# Altium PCB Board_Design.PcbDoc (part 3 of 3)
Units mil, origin at the board's own origin, x right, y up, seen from the top; angles counter-clockwise.
Board outline 5510 x 2520.05 mil, 4 copper layers (Top Layer, Power, Ground, Bottom Layer); 245 components, 237 nets, 989 pads, 502 vias.
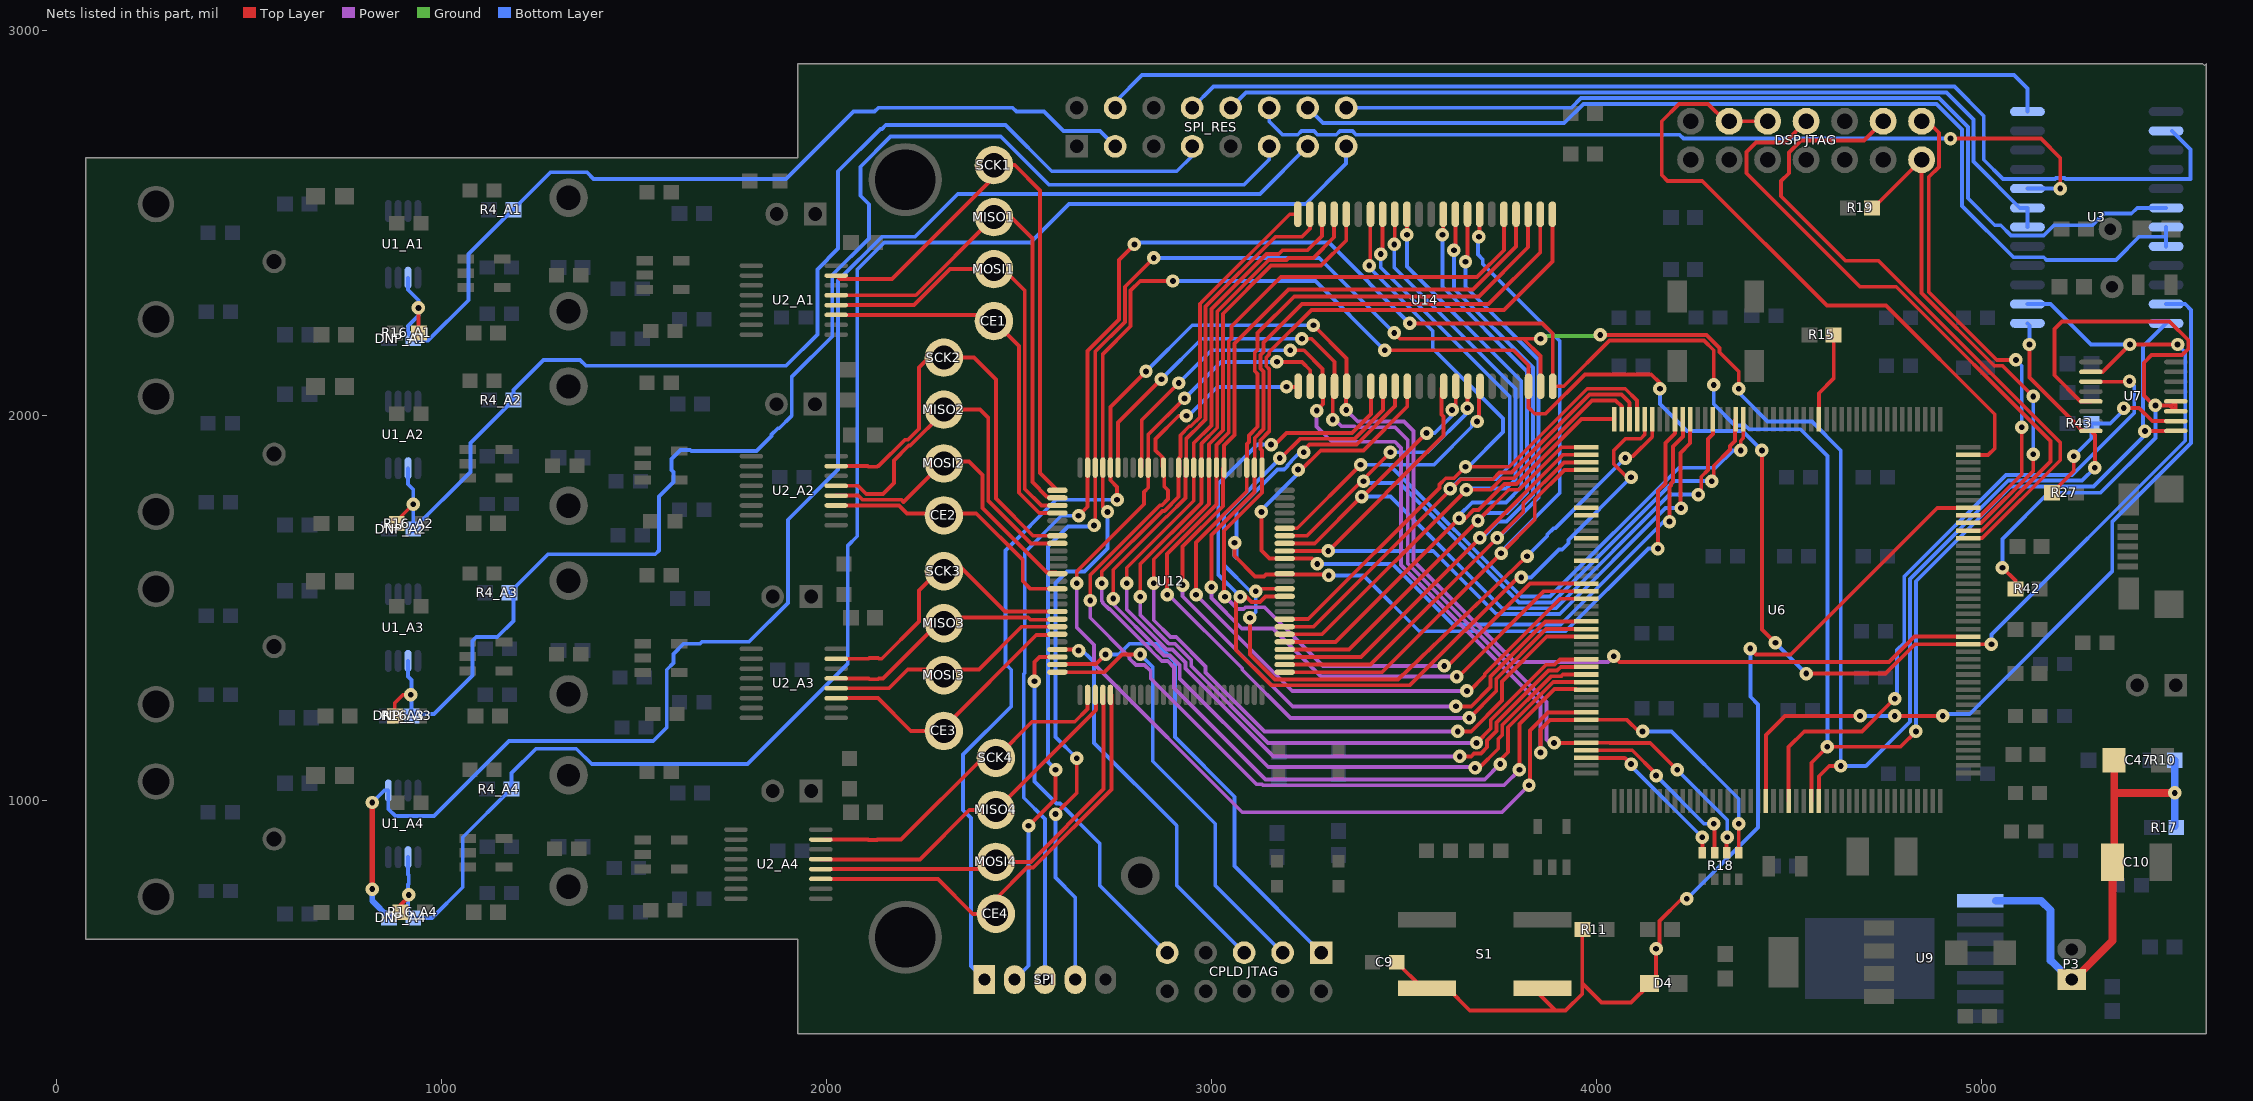
[diagram p5: the nets of this part, all layers, seen from the top]

## Via types
v1: diameter 35, hole 15, Top Layer to Bottom Layer, tented both sides, 501 vias
v2: diameter 35, hole 15, Top Layer to Bottom Layer, tented top, 1 vias

## Nets (pads, with @x,y where several pads share a name; then routed paths per layer and width w, separated by ;. In a path a pad name is that pad's centre, name@x,y a point inside that pad or via, vN(x,y) a via of type N, cw(c..) or ccw(c..) an arc to the next point about the centre after c; other vN are vias at no path point) (continued)
RGA_3I: SPI_RES.10 U3.18 U3.19 | length 2325.2
  Bottom Layer w10: SPI_RES.10@3050,2800 3090,2840 4910,2840 4980,2770 4980,2660 5100,2540 U3.19@5119.88,2540 U3.18@5119.88,2490
RGA_4: DNP_A4.1 SPI_RES.13 U1_A4.1 | length 4051.3
  Top Layer w15: v1(820,770.21) v1(820,995.21)
  Bottom Layer w10: v1(820,995.21) 851.1,1026.32 U1_A4.1@861.61,1026.32 861.61,978.6 880,960.21 980,960.21 1174.79,1155 1550,1155 1585,1190 1585,1340 1602.5,1357.5 1602.5,1381.39 1628.82,1407.71 1671.39,1407.71 1676.39,1412.71 1798.4,1412.71 1899.53,1513.84 1899.53,1729.74 2030,1860.21 2030,2351.21 2143.79,2465 2230,2465 2340.98,2575.98 3125.98,2575.98 SPI_RES.13@3250,2700
  Bottom Layer w15: v1(820,770.21) 820,740.21 DNP_A4.1@863.5,696.71
RGA_4I: SPI_RES.14 U3.7 U3.8 | length 2625.9
  Bottom Layer w10: SPI_RES.14@3250,2800 3289.53,2760.47 3916.69,2760.47 3966.21,2810 4883.79,2810 4950,2743.79 4950,2545 5083.19,2411.81 5162.38,2411.81 5169.19,2405 5350,2405 5410,2465 5480,2465 ; U3.8@5480.12,2440 U3.7@5480.12,2490
RGB_1: DNP_A1.2 R4_A1.2 R16_A1.2 SPI_RES.3 U1_A1.6 | length 2455.8
  Top Layer w10: v1(940,2280) 940,2216.5 R16_A1.2@941.5,2215
  Bottom Layer w10: U1_A1.6@912.8,2358.6 912.8,2327.2 940,2300 v1(940,2280) 940,2260 912.8,2232.8 912.8,2213.91 DNP_A1.2@926.5,2200.21 931.71,2195 965,2195 1070,2300 1070,2420 1282.5,2632.5 1377.5,2632.5 1394.79,2615.21 1895.21,2615.21 2070,2790 2125.15,2790 2135.15,2800 2483.64,2800 2493.64,2790 2565,2790 2615.47,2739.53 2710.47,2739.53 SPI_RES.3@2750,2700 ; R4_A1.2@1185.21,2535.21 R4_A1.2@1186.5,2535.21
RGB_1I: SPI_RES.4 U3.24 | length 2488.4
  Bottom Layer w10: SPI_RES.4@2750,2800 2750,2815 2820,2885 5085,2885 5119.88,2850.12 U3.24@5119.88,2790
RGB_2: DNP_A2.2 R4_A2.2 R16_A2.2 SPI_RES.7 U1_A2.6 | length 3074.1
  Top Layer w10: R16_A2.2@883.5,1720 883.5,1727.01 v1(926.5,1770)
  Bottom Layer w10: U1_A2.6@912.8,1863.6 912.8,1821.85 926.5,1808.15 v1(926.5,1770) DNP_A2.2@926.5,1705.73 1075,1854.23 1075,1929.23 R4_A2.2@1186.5,2040.73 1186.5,2066.5 1265,2145 1360,2145 1375,2130 1895,2130 1976.18,2211.18 1976.18,2380.18 2030,2434 2030,2635 2140,2745 2143.79,2745 2153.79,2755 2465,2755 2585,2635 2910,2635 2950,2675 SPI_RES.7@2950,2700 ; DNP_A2.2@921.5,1700.73 DNP_A2.2@926.68,1700.92
RGB_2I: SPI_RES.8 U3.2 | length 2929
  Bottom Layer w10: SPI_RES.8@2950,2800 3005,2855 4930,2855 5006.38,2778.62 5006.38,2665 5056.38,2615 5191.11,2615 5193.61,2617.5 5216.39,2617.5 5218.89,2615 5543.19,2615 5543.19,2691.81 U3.2@5495,2740
RGB_3: DNP_A3.2 R4_A3.2 R16_A3.2 SPI_RES.11 U1_A3.6 | length 3714.5
  Top Layer w10: R16_A3.2@878.5,1220 878.5,1253.5 900,1275 v1(920,1275)
  Bottom Layer w10: U1_A3.6@912.8,1363.09 912.8,1322.2 921.5,1313.5 DNP_A3.2@921.5,1220.21 ; DNP_A3.2@927.8,1225.13 980.13,1225.13 1080,1325 1080,1415 1090,1425 1144.79,1425 1186.5,1466.71 R4_A3.2@1186.5,1540.21 ; R4_A3.2@1176.5,1540 1276.5,1640 1555,1640 1565,1650 1565,1790 1602.55,1827.55 1602.55,1853.56 1597.5,1858.61 1597.5,1887.5 1620.73,1910.73 1646.11,1910.73 1648.61,1908.23 1818.01,1908.23 1857.5,1947.71 1857.5,1951.39 1873.61,1967.5 1877.29,1967.5 1909.53,1999.74 1909.53,2100.32 2015,2205.79 2015,2365.21 2110,2460.21 2110,2549.46 2088.11,2571.35 2088.11,2646.89 2166.21,2725 2452.57,2725 2577.57,2600 3085,2600 3150,2665 SPI_RES.11@3150,2700
RGB_3I: SPI_RES.12 U3.20 | length 2310.3
  Top Layer w10: v1(4920,2720) 5155,2720 5205,2670 v1(5205,2590)
  Bottom Layer w10: SPI_RES.12@3150,2800 3150,2765 3185,2730 3224.1,2730 3233.63,2739.53 3266.37,2739.53 3275.9,2730 3324.1,2730 3333.63,2739.53 3366.37,2739.53 3375.9,2730 4216.36,2730 4226.36,2720 v1(4920,2720) ; U3.20@5119.88,2590 v1(5205,2590)
RGB_4: DNP_A4.2 R4_A4.2 R16_A4.2 SPI_RES.15 U1_A4.6 | length 4217.6
  Top Layer w10: R16_A4.2@893.5,710 893.5,728.5 v1@917.5,752.5
  Bottom Layer w10: U1_A4.6@912.8,853.6 U1_A4.6@912.8,853.09 912.8,808.51 914.7,806.6 914.7,783.82 912.8,781.91 912.8,708.91 DNP_A4.2@926.5,695.21 975.21,695.21 1055,775 1055,905 1180,1030 R4_A4.2@1181.5,1030 1181.5,1071.5 1245,1135 1350,1135 1390,1095 1794.79,1095 2055,1355.21 2055,1662.03 2080,1687.03 2080,2380 2150,2450 2530,2450 2630,2550 3245,2550 3350,2655 SPI_RES.15@3350,2700
  other v1: 915,755
RGB_4I: SPI_RES.16 U3.6 | length 2426.7
  Bottom Layer w10: SPI_RES.16@3350,2800 3935,2800 3960,2825 4890,2825 4965,2750 4965,2565 5035,2495 5050.57,2495 5077.38,2468.19 5162.38,2468.19 5189.19,2495 5288.43,2495 5318.43,2525 5389.14,2525 5389.57,2524.57 5405,2540 U3.6@5480.12,2540
SPI_CE1: CE1.1 U2_A1.11 U12.4 | length 1010.8
  Top Layer w10: U2_A1.11@2025.24,2261.83 2419.16,2261.83 CE1.1@2435,2245.98 2500,2180.98 2500,1800 2552.83,1747.17 U12.4@2599.72,1747.17
SPI_CE2: CE2.1 U2_A2.11 U12.14 | length 696.4
  Top Layer w10: U2_A2.11@2025.24,1766.83 2188.17,1766.83 2209.02,1745.98 2389.02,1745.98 2510,1625 2510,1570 2529.68,1550.32 U12.14@2599.72,1550.32
SPI_CE3: CE3.1 U2_A3.11 U12.20 | length 718.3
  Top Layer w10: U2_A3.11@2025.24,1266.32 2133.68,1266.32 2219.02,1180.98 CE3.1@2305,1180.98 2305,1190 2545,1430 U12.20@2599.72,1430
SPI_CE4: CE4.1 U2_A4.11 U12.30 | length 1194.8
  Top Layer w10: U2_A4.11@1985.24,796.61 2289.37,796.61 2380,705.98 CE4.1@2440,705.98 2440,745 2520.98,825.98 2537.2,825.98 2740,1028.79 U12.30@2740,1274.72
SPI_CLK/XA15: SPI.4 U3.14 U6.62 U7.2 U12.97 U14.42 | length 6668.7
  Top Layer w10: v1(2595,965) 2650,1020 v1(2650,1110) ; v1(2730,1750) 2717.83,1762.17 U12.97@2717.83,1865.28 2717.83,2160.31 2790,2232.48 2790,2325 2815,2350 v1(2900,2350) ; v1(3450,2170) 3785,2170 3823.72,2131.28 U14.42@3823.72,2076.5 3823.72,2021.28 3840,2005 3868.12,2005 3970.62,2107.5 4142.5,2107.5 4165,2085 v1(4165,2070) ; v1(4430,1910) 4430,1445 v1(4465,1410) ; v1@4540,1330 v1(4545,1330) 4751.21,1330 4827.61,1406.4 U6.62@4941.1,1406.4 ; U6.62@4966.1,1406.4 v1(5026.4,1406.4) ; U7.2@5284.76,2113.98 5315.09,2113.98 v1(5386.11,2185) v1(5510,2185)
  Bottom Layer w10: v1(2595,965) 2595,800 2646.22,748.78 SPI.4@2646.22,535 ; v1(2650,1110) 2595,1165 2595,1565 2625,1595 2670,1595 2730,1655 v1(2730,1750) ; v1(2900,2350) 3270,2350 v1(3450,2170) ; v1(4165,2070) 4165,2030 4235,1960 4380,1960 v1(4430,1910) ; v1(4465,1410) v1(4545,1330) ; v1(5026.4,1406.4) 5026.4,1431.4 5530,1935 5530,2165 v1(5510,2185) ; U3.14@5119.88,2290 5180,2290 5285,2185 v1(5386.11,2185)
SPI_CS/XA14: SPI.1 U6.63 U12.96 U14.27 | length 4761.9
  Top Layer w10: v1(2755,1781.57) 2755,1815 2737.52,1832.48 U12.96@2737.52,1865.28 2737.52,2022.52 v1(2830,2115) ; v1(3265,2235) 3351.28,2148.72 U14.27@3351.28,2076.5 ; v1(3350,2015) U14.27@3350,2075.22 ; v1(4045,1375) 4060,1360 4760,1360 4826.1,1426.1 U6.63@4941.1,1426.1
  Power w10: v1(3350,2015) 3380,1985 3500,1985 3525,1960 3525,1622.43 3787.43,1360 4030,1360 v1(4045,1375)
  Bottom Layer w10: SPI.1@2410,535 2375,570 2375,955 2355,975 2355,1120 2480,1245 2480,1340 2465,1355 2465,1650 2596.57,1781.57 v1(2755,1781.57) v1@2757.5,1779.07 ; v1(2830,2115) 2950,2235 v1(3265,2235)
SPI_CS_POT: U3.11 U6.21 | length 2075.9
  Top Layer w10: U6.21@4440.5,998.9 4440.5,1170.5 4490,1220 v1(4685,1220) ; v1(4775,1220) v1(4900,1220)
  Bottom Layer w10: v1(4685,1220) v1(4775,1220) ; v1@4905,1225 4970,1225 5340,1595 5340,1723.79 5545,1928.79 5545,2275 5530,2290 U3.11@5480.12,2290
SPI_CS_USB: U6.24 U7.3 | length 1757.4
  Top Layer w10: U6.24@4499.5,998.9 4499.5,1139.5 4540,1180 4690,1180 v1(4775,1265) ; U7.3@5284.76,2088.39 v1@5385,2088.39
  Bottom Layer w10: v1(4775,1265) 4781.18,1271.18 4781.18,1391.18 4800,1410 4800,1582.43 5063.92,1846.35 5236.35,1846.35 5397.5,2007.5 5397.5,2077.5 v1(5385,2090)
SPI_MISO1: MISO1.1 U2_A1.13 U12.2 | length 1331.3
  Top Layer w10: U2_A1.13@2025.24,2313.01 2232.02,2313.01 MISO1.1@2435,2515.98 2479.02,2515.98 2535,2460 2535,1827.37 2573.04,1789.33 2596.93,1789.33 U12.2@2599.72,1786.54
SPI_MISO2: MISO2.1 U2_A2.13 U12.8 | length 981.9
  Top Layer w10: U2_A2.13@2025.24,1818.01 2081.99,1818.01 2103.17,1796.83 2146.83,1796.83 2175,1825 2175,1883.79 2213.71,1922.5 2217.6,1922.5 2305,2009.9 MISO2.1@2305,2015.98 2399.02,2015.98 2420,1995 2420,1780 2531.57,1668.43 U12.8@2599.72,1668.43
SPI_MISO3: MISO3.1 U2_A3.13 U12.18 | length 644.2
  Top Layer w10: U2_A3.13@2025.24,1317.5 2109.57,1317.5 2111.48,1315.59 2134.26,1315.59 2136.17,1317.5 2146.51,1317.5 2305,1475.98 2524.02,1475.98 2530,1470 U12.18@2599.72,1470
SPI_MISO4: MISO4.1 U2_A4.13 U12.28 | length 914.5
  Top Layer w10: U2_A4.13@1985.24,847.8 1985.53,847.5 2242.5,847.5 2370.98,975.98 MISO4.1@2440,975.98 2700,1235.98 U12.28@2700,1274.72
SPI_MOSI1: MOSI1.1 U2_A1.12 U12.3 | length 1169.3
  Top Layer w10: U2_A1.12@2025.24,2287.42 2227.65,2287.42 2321.21,2380.98 MOSI1.1@2435,2380.98 2459.02,2380.98 2515,2325 2515,1810 2558.15,1766.85 U12.3@2599.72,1766.85
SPI_MOSI2: MOSI2.1 U2_A2.12 U12.12 | length 795.4
  Top Layer w10: U2_A2.12@2025.24,1792.42 2082.58,1792.42 2093.17,1781.83 2194.39,1781.83 2200.11,1776.1 2305,1880.98 2370,1880.98 2405,1845.98 2405,1760.52 2573.04,1592.48 2596.93,1592.48 U12.12@2599.72,1589.68
SPI_MOSI3: MOSI3.1 U2_A3.12 U12.19 | length 640.8
  Top Layer w10: U2_A3.12@2025.24,1291.91 2161.91,1291.91 2210.98,1340.98 2305,1340.98 2395.98,1340.98 2506.89,1451.89 U12.19@2599.72,1451.89
SPI_MOSI4: MOSI4.1 U2_A4.12 U12.29 | length 1065.6
  Top Layer w10: U2_A4.12@1985.24,822.2 2421.22,822.2 MOSI4.1@2440,840.98 2530.98,840.98 2720,1030 U12.29@2720,1274.72
SPI_SCK1: SCK1.1 U2_A1.15 U12.1 | length 1499
  Top Layer w10: U2_A1.15@2025.24,2364.19 2034.43,2355 2170,2355 2435,2620 SCK1.1@2435,2650.98 2489.02,2650.98 2555,2585 2555,1850.94 U12.1@2599.72,1806.22
SPI_SCK2: SCK2.1 U2_A2.15 U12.7 | length 1158.5
  Top Layer w10: U2_A2.15@2025.24,1869.19 2107.13,1869.19 2109.04,1867.28 2131.82,1867.28 2133.73,1869.19 2135.3,1869.19 2203.61,1937.5 2211.39,1937.5 2240,1966.11 2240,2125 2265.98,2150.98 SCK2.1@2305,2150.98 2382.8,2150.98 2440,2093.79 2440,1785 2536.89,1688.11 U12.7@2599.72,1688.11
SPI_SCK3: SCK3.1 U2_A3.15 U12.17 | length 773.5
  Top Layer w10: U2_A3.15@2025.24,1368.68 2109.57,1368.68 2111.48,1370.59 2134.26,1370.59 2136.17,1368.68 2143.68,1368.68 2240,1465 2240,1545.98 2305,1610.98 2344.02,1610.98 2463.74,1491.26 U12.17@2599.72,1491.26
SPI_SCK4: SCK4.1 U2_A4.15 U12.27 | length 861.4
  Top Layer w10: U2_A4.15@1995,898.68 2107.43,898.68 2108.61,897.5 2131.39,897.5 2132.57,898.68 2193.68,898.68 2405.98,1110.98 SCK4.1@2440,1110.98 2534.02,1205 2645,1205 2678.46,1238.46 U12.27@2678.46,1274.72
SPI_SIMO/XA17: SPI.3 U3.12 U6.27 U7.9 U12.99 U14.44 | length 7066
  Top Layer w10: v1(2655,1740) 2678.46,1763.46 U12.99@2678.46,1865.28 2678.46,2168.46 2760,2250 2760,2405 v1(2800,2445) ; v1(3515,2240) 3860,2240 3886.71,2213.29 U14.44@3886.71,2076.5 3915.39,2076.5 4033.89,2195 4280,2195 4305,2170 v1(4305,2080) ; U6.27@4558.6,998.9 4558.6,1098.6 v1(4600,1140) 4790,1140 v1(4830,1180) ; v1(5425,1960) 5504.8,1960 U7.9@5505.24,1960.43
  Bottom Layer w10: SPI.3@2567.48,535 2567.48,952.52 2512.5,1007.5 2512.5,1328.89 2515,1331.39 2515,1645 2610,1740 v1(2655,1740) ; v1(2800,2445) 2805,2450 3305,2450 v1(3515,2240) ; v1(4305,2080) 4305,2030 4360,1975 4386.21,1975 4396.21,1965 4530,1965 4600,1895 v1(4600,1140) ; v1(4830,1180) 4830,1570 5076.35,1816.35 5291.35,1816.35 5420,1945 5420,2179.88 U3.12@5480.12,2240
SPI_SOMI/XA16: SPI.2 U3.13 U6.28 U7.8 U12.98 U14.43 | length 6861.4
  Top Layer w10: v1@2530,935 2530,938.89 2595,1003.89 v1(2595,1080) ; v1@2698.15,1718.15 U12.98@2698.15,1865.28 2698.15,2166.94 2775,2243.79 2775,2335 v1(2850,2410) ; v1(3475,2215) 3490,2200 3810,2200 ; v1(3855,2200) 3810,2200 ; U14.43@3855.21,2076.5 3855.21,2154.79 3810,2200 ; v1(4010,2210) 4286.21,2210 4320,2176.21 4320,2165 4370,2115 v1(4370,2070) ; U6.28@4578.3,998.9 4578.3,1063.3 4605,1090 v1(4635,1090) ; v1(5125,2185) 5125,2098.89 5244.25,1979.64 5244.25,1979.44 5263.25,1960.43 U7.8@5284.76,1960.43 5295,1950.2 v1(5295,1865)
  Ground w10: v1(3855,2200) 3862.5,2207.5 v1@4007.5,2207.5
  Bottom Layer w10: SPI.2@2488.74,535 2525,571.26 v1(2525,935) ; v1(2595,1080) 2575,1100 2575,1660 2627.5,1712.5 2692.5,1712.5 v1(2695,1715) ; v1(2850,2410) 3280,2410 v1(3475,2215) ; v1(4370,2070) 4370,2060 4445,1985 4560,1985 4635,1910 v1(4635,1090) 4700,1090 4815,1205 4815,1576.21 5070.13,1831.35 5261.35,1831.35 v1(5295,1865) ; U3.13@5119.88,2240 5125,2234.88 v1(5125,2185)
T\R\S\T\_DSP: "DSP JTAG.2" R19.2 U6.78 | length 1373.9
  Top Layer w10: R19.2@4716.5,2535 4716.5,2536.5 4845,2665 4845,2318.79 5033.79,2130 5055,2130 v1(5135,2050) ; U6.78@4941.1,1721.4 4999.56,1721.4 5135,1856.84 v1(5135,1900)
  Bottom Layer w10: v1(5135,1900) v1(5135,2050)
TCK_CPLD: "CPLD JTAG.1" U12.24 | length 1262.6
  Top Layer w10: U12.24@2596.26,1355 2700,1355 v1(2725,1380)
  Bottom Layer w10: v1(2725,1380) 2760,1380 2787.5,1407.5 2857.5,1407.5 2905,1360 2905,1165 3060,1010 3060,830 3285,605
TCK_DSP: "DSP JTAG.9" "DSP JTAG.11" U6.87 | length 1760.7
  Top Layer w10: 4445,2765 4345,2765 4335,2765 4290,2810 4215,2810 4170,2765 4170,2625 4185,2610 4275,2610 4598.79,2286.21 4752.68,2286.21 5035,2003.89 5035,1915 5017.54,1897.54 U6.87@4944.98,1897.54
TDI_CPLD: "CPLD JTAG.9" U12.23 | length 968.3
  Top Layer w10: v1(2540,1310) 2540,1360 2553.15,1373.15 U12.23@2599.72,1373.15
  Bottom Layer w10: v1(2540,1310) 2540,1050 2597.5,992.5 2606.39,992.5 2710,888.89 2710,780 2885,605
TDI_DSP: "DSP JTAG.3" U6.76 | length 1784.1
  Top Layer w10: 4745,2765 4695,2715 4531.36,2715 4500,2683.64 4500,2630 4480,2610 4480,2570 4647.5,2402.5 4732.6,2402.5 5205,1930.1 5205,1884.42 5002.58,1682 U6.76@4941.1,1682
TDO_CPLD: "CPLD JTAG.3" U12.25 | length 1162.7
  Top Layer w10: U12.25@2599.72,1333.78 2721.73,1333.78 2767.95,1380 v1(2815,1380)
  Bottom Layer w10: v1(2815,1380) 2847.5,1347.5 2847.5,1102.5 3010,940 3010,780 3185,605
TDO_DSP: "DSP JTAG.7" U6.77 | length 1687.8
  Top Layer w10: 4545,2765 4490,2710 4415,2710 4390,2685 4390,2630 4685,2335 4778.89,2335 5180,1933.89 5180,1880.63 5001.07,1701.7 U6.77@4941.1,1701.7
TMS_CPLD: "CPLD JTAG.5" U12.22 | length 1039.6
  Top Layer w10: U12.22@2599.72,1392.83 2652.17,1392.83 v1(2655,1390)
  Bottom Layer w10: v1(2655,1390) 2655,1400 2695,1360 2695,1150 2910,935 2910,780 3085,605
TMS_DSP: "DSP JTAG.1" U6.79 | length 1292.8
  Top Layer w10: 4845,2765 4860,2765 4890,2735 4890,2646.36 4863.64,2620 4863.64,2321.36 5040,2145 v1(5090,2145) ; U6.79@4941.1,1741.1 4998.04,1741.1 5105,1848.06 v1(5105,1970)
  Bottom Layer w10: v1(5090,2145) 5105,2130 v1(5105,1970)
VBUS: R27.2 R43.2 U7.10 | length 475
  Top Layer w10: R27.2@5183.5,1800 5240,1856.5 v1(5240,1895) ; v1(5370,2020) 5410,2020 5443.98,1986.02 U7.10@5505.24,1986.02
  Bottom Layer w10: v1(5240,1895) 5286.5,1941.5 R43.2@5286.5,1980 5335,1980 5370,2015 v1@5375,2015
VIN: C10.1 C47.1 P3.1 R10.1 R17.1 U9.1 | length 1301.1
  Top Layer w20: P3.1@5235,530 5340.79,635.79 C10.1@5340.79,840 ; C10.1@5345,844.21 5345,1020 ; C47.1@5345,1105 5345,1020 ; v1@5500,1020 5345,1020
  Bottom Layer w20: U9.1@5037.6,740 5155,740 5180,715 5180,585 P3.1@5235,530 ; R17.1@5502.48,934.02 v1(5502.48,1020) R10.1@5502.48,1105
VOUT3V3: R42.1 U7.5 U7.11 U7.12 | length 1735
  Top Layer w10: v1(5055,1605) 5088.5,1571.5 R42.1@5088.5,1550 ; U7.5@5284.76,2037.2 5257.8,2037.2 5190,2105 5190,2225 5210,2245 5488.89,2245 5537.5,2196.39 5537.5,2173.61 5521.39,2157.5 5442.5,2157.5 5422.5,2137.5 5422.5,2052.5 5448.12,2026.88 v1(5452.5,2026.88) 5494.91,2026.88 U7.12@5505.24,2037.2 U7.11@5505.24,2011.61 5491.85,2025 5490,2025
  Bottom Layer w10: v1(5055,1605) 5055,1680 5175,1800 5310,1800 5452.5,1942.5 v1(5452.5,2026.88)
X\R\S\: C9.1 D4.1 R11.2 S1.3 S1.4 U6.80 | length 2775.5
  Top Layer w10: C9.1@3481.5,580 3548.45,513.05 S1.3@3560.15,513.05 3613.15,513.05 3670.98,455.21 3893.5,455.21 ; S1.4@3810,513.05 3835.67,513.05 3893.5,455.21 ; R11.2@3963.5,665.21 3963.5,525.21 ; v1(4235,745) 4221.79,745 4164.17,687.39 4164.17,624.17 v1(4155,615) 4155,542.62 D4.1@4137.6,525.21 4137.6,522.81 4090,475.21 4013.5,475.21 3963.5,525.21 ; v1(4400,1395) 4415,1380 4505,1380 4885.7,1760.7 U6.80@4966.1,1760.7 ; 3893.5,455.21 3920.21,455.21 3963.5,498.5 3963.5,525.21
  Bottom Layer w10: v1(4235,745) 4420,930 4420,1250 4400,1270 v1(4400,1395)
XA0: U6.151 U12.76 U14.1 | length 2731.3
  Top Layer w10: v1(3035,1530) 3032.5,1532.5 3032.5,1701.18 3131.22,1799.9 U12.76@3131.22,1865.28 3131.22,1909.89 3127.5,1913.61 3127.5,1936.39 3150,1958.89 3150,2121.11 3142.5,2128.61 3142.5,2151.39 3150,2158.89 3150,2165 3260,2275 3760,2275 3885.71,2400.71 U14.1@3885.71,2523.5 ; v1(3605,1350) 3613.89,1350 3827.79,1563.9 U6.151@3948.9,1563.9
  Power w10: v1(3035,1530) 3067.5,1497.5 3083.61,1497.5 3088.61,1502.5 3137.5,1502.5 3290,1350 v1(3605,1350)
XA1: U6.152 U12.77 U14.2 | length 2766.6
  Top Layer w10: v1(3000,1555) 3000,1689.9 3111.54,1801.43 U12.77@3111.54,1865.28 3112.5,1866.24 3112.5,1942.6 3135,1965.1 3135,2114.9 3127.5,2122.4 3127.5,2157.6 3135,2165.1 3135,2190 3235,2290 3720,2290 3854.21,2424.21 U14.2@3854.21,2523.5 ; v1(3637.5,1322.5) 3642.5,1322.5 3864.2,1544.2 U6.152@3948.9,1544.2
  Power w10: v1(3000,1555) 3000,1526.11 3078.61,1447.5 3159.67,1447.5 3284.67,1322.5 v1(3637.5,1322.5)
XA2: U6.153 U12.78 U14.3 | length 2827
  Top Layer w10: v1(2960,1535) 2960,1671.11 3091.85,1802.96 U12.78@3091.85,1865.28 3092.5,1865.93 3092.5,1926.39 3097.5,1931.39 3097.5,1948.82 3120,1971.32 3120,2108.68 3112.5,2116.18 3112.5,2163.82 3120,2171.32 3120,2215 3215,2310 3695,2310 3822.72,2437.72 U14.3@3822.72,2523.5 ; v1(3663.75,1285) 3670,1285 3710,1325 3710,1328.64 3905.86,1524.5 U6.153@3948.9,1524.5
  Power w10: v1(2960,1535) 3210,1285 v1(3663.75,1285)
XA3: U6.156 U12.81 U14.4 | length 2881.6
  Top Layer w10: v1(2925,1560) 2925,1659.85 3030,1764.85 3030,1862.48 U12.81@3032.8,1865.28 3032.8,1922.8 3060,1950 3060,2187.83 3200,2327.83 3679.05,2327.83 3791.22,2440.01 U14.4@3791.22,2523.5 ; v1(3635,1245) 3675,1245 3725,1295 3725,1322.43 3868.07,1465.5 U6.156@3948.9,1465.5
  Power w10: v1(2925,1560) 2925,1531.11 3211.11,1245 v1(3635,1245)
XA4: U6.157 U12.82 U14.5 | length 2968.4
  Top Layer w10: v1(2885,1535) 2885,1641.07 3013.11,1769.18 U12.82@3013.11,1865.28 3013.11,1924.32 3045,1956.21 3045,2194.05 3052.48,2201.53 3052.48,2232.48 3180,2360 3690,2360 3759.72,2429.72 U14.5@3759.72,2523.5 ; v1(3670,1215) 3740,1285 3740,1316.21 3869.59,1445.8 U6.157@3948.9,1445.8
  Power w10: v1(2885,1535) 2888.89,1535 3079.98,1343.91 3079.98,1340.02 3205,1215 v1(3670,1215) v1@3676.18,1215
XA5: U6.158 U12.83 U14.18 | length 2697
  Top Layer w10: v1(2850,1565) 2850,1627.28 2993.43,1770.7 U12.83@2993.43,1865.28 2993.43,1925.85 3030,1962.43 3030,2265 3155,2390 3285,2390 3350.28,2455.28 U14.18@3350.28,2523.5 ; v1(3640,1180) 3675,1180 3755,1260 3755,1310 3871.1,1426.1 U6.158@3948.9,1426.1
  Power w10: v1(2850,1565) 2850,1468.74 2893.74,1425 2908.74,1425 2984.98,1348.76 2984.98,1333.2 3138.18,1180 v1(3640,1180)
XA6: U6.161 U12.84 U14.19 | length 2716.3
  Top Layer w10: v1(2815,1530) 2815,1615 2973.74,1773.74 U12.84@2973.74,1865.28 2973.74,1927.38 3015,1968.64 3015,2271.21 3148.79,2405 3195,2405 3200,2410 3265,2410 3318.78,2463.78 U14.19@3318.78,2523.5 ; v1(3688.6,1150) 3725.61,1187 3725.61,1209.35 3869.26,1353 3891.6,1353 3905.6,1367 U6.161@3948.9,1367
  Power w10: v1(2815,1530) 2815,1482.53 2887.5,1410.03 2887.5,1409.47 2889.47,1407.5 2905.03,1407.5 2947.5,1365.03 2947.5,1349.47 3146.97,1150 3175,1150 ; 3157.53,1150 3175,1150 ; v1(3688.6,1150) 3175,1150
XA7: U6.162 U12.85 U14.20 | length 2750.4
  Top Layer w10: v1(2780,1565) 2780,1605 2954.06,1779.06 U12.85@2954.06,1865.28 2954.06,1929.06 3000,1975 3000,2277.43 3142.57,2420 3175,2420 3185,2430 3250,2430 3287.28,2467.28 U14.20@3287.28,2523.5 ; v1(3645,1115) 3675,1115 3682.5,1122.5 3699.99,1122.5 3716.1,1138.61 3716.1,1156.1 3740.61,1180.61 3740.61,1203.14 3875.47,1338 3898,1338 3907.4,1347.4 U6.162@3948.9,1347.4
  Power w10: v1(2780,1565) 2780,1496.32 2872.5,1403.82 2872.5,1403.25 2883.25,1392.5 2898.82,1392.5 2932.5,1358.82 2932.5,1343.25 3160.75,1115 v1(3645,1115)
XA8: U6.163 U12.86 U14.21 | length 2793.9
  Top Layer w10: v1(2745,1525) 2745,1600 2882.5,1737.5 2883.82,1737.5 2932.5,1786.18 2932.5,1863.41 U12.86@2934.37,1865.28 2934.37,1939.37 2952.5,1957.5 2952.6,1957.5 2985,1989.9 2985,2283.64 3166.36,2465 3235,2465 3255.79,2485.79 U14.21@3255.79,2523.5 ; v1(3685,1085) 3695,1085 3745,1135 3745,1160 3755.61,1170.61 3755.61,1196.92 3881.68,1323 3908,1323 3912.7,1327.7 U6.163@3948.9,1327.7
  Power w10: v1(2745,1525) 2745,1510.1 2857.5,1397.6 2857.5,1397.04 2877.04,1377.5 2892.6,1377.5 2917.5,1352.6 2917.5,1317.5 3147.5,1087.5 v1@3682.5,1087.5
XA9: U6.164 U12.87 U14.22 | length 2841.4
  Top Layer w10: v1(2715,1565) 2715,1595 2872.5,1752.5 2877.6,1752.5 2914.68,1789.58 U12.87@2914.68,1865.28 2917.48,1868.07 2917.48,1891.96 2919.37,1893.85 2919.37,1949.37 2942.5,1972.5 2946.39,1972.5 2970,1996.11 2970,2289.85 2975,2294.85 2975,2295 3203.5,2523.5 U14.22@3224.29,2523.5 ; v1(3750,1095) 3750,1105 3770.61,1125.61 3770.61,1190.71 3887.9,1308 U6.164@3948.9,1308
  Power w10: v1(2715,1565) 2715,1518.89 2717.5,1516.39 2717.5,1513.61 2733.61,1497.5 2735.83,1497.5 2825.83,1407.5 2826.39,1407.5 2842.5,1391.39 2842.5,1390.83 2870.83,1362.5 2886.39,1362.5 2902.5,1346.39 2902.5,1292.5 3137.5,1057.5 3137.6,1057.5 3140.1,1055 3710,1055 v1(3750,1095)
XA10: U6.165 U12.89 U14.23 | length 2621.4
  Top Layer w10: v1(2685,1520) 2685,1586.21 2866.29,1767.5 2871.39,1767.5 2887.5,1783.61 2887.5,1806.39 2877.5,1816.39 2877.5,1863.09 U12.89@2875.32,1865.28 2872.52,1868.07 2872.52,1891.96 2855,1909.48 2855,1940 2915,2000 v1(2935,2000) ; v1(3195,2075) U14.23@3223.8,2075 ; v1(3800,1080) 3800,1198.89 3891.11,1290 3947.2,1290 U6.165@3948.9,1288.3
  Power w10: v1(2685,1520) 2685,1475 2787.5,1372.5 2787.5,1368.61 2803.61,1352.5 2826.39,1352.5 2842.5,1336.39 2842.5,1317.4 3117.4,1042.5 3131.39,1042.5 3133.89,1040 3760,1040 v1(3800,1080)
  Bottom Layer w10: v1(2935,2000) 2940,2000 3015,2075 v1(3195,2075)
XA11: U6.168 U12.91 U14.24 | length 2847.9
  Top Layer w10: v1(2650,1565) 2650,1595 2825,1770 2825,1801.82 2835.94,1812.76 U12.91@2835.94,1865.28 2835.94,1950.94 v1(2930,2045) ; v1(3170,2140) 3235,2140 3256.79,2118.21 U14.24@3256.79,2076.5 U14.24@3255,2074.71 ; v1(3825,1040) 3827.5,1042.5 3827.5,1182.5 3874.3,1229.3 U6.168@3950,1229.3
  Power w10: v1(2650,1565) 2650,1450 2695,1405 2695,1355 3080,970 3755,970 v1(3825,1040)
  Bottom Layer w10: v1(2930,2045) 3025,2140 v1(3170,2140)
XA12: R18.1 U6.169 U12.92 U14.25 | length 2849.3
  Top Layer w10: U12.92@2816.26,1865.28 2819.06,1868.07 2819.06,1989.06 v1(2915,2085) ; v1(3205,2170) 3240,2170 3288.28,2121.72 U14.25@3288.28,2076.5 ; v1(3273.32,2013.32) 3290,2030 U14.25@3290,2085 ; v1(3855,1125) 3855,1185 3879.6,1209.6 3991.51,1209.6 3991.11,1210 4080,1210 4110,1180 v1(4120,1180) ; R18.1@4370,865 v1(4370,940)
  Power w10: v1(3273.32,2013.32) 3273.32,1971.68 3312.5,1932.5 3476.39,1932.5 3492.54,1916.36 3492.54,1612.46 3855,1250 v1(3855,1125)
  Bottom Layer w10: v1(2915,2085) 3000,2170 v1(3205,2170) ; v1(4120,1180) 4195,1180 4370,1005 v1(4370,940)
XA13: R18.2 U6.172 U12.95 U14.26 | length 2745.4
  Top Layer w10: U12.95@2757.2,1865.28 2757.2,1982.2 v1(2870,2095) ; v1(3235,2200) 3260,2200 3319.78,2140.22 U14.26@3319.78,2076.5 ; v1(3315,1990) U14.26@3315,2061.28 ; v1(3890,1150) U6.172@3980.24,1150 ; U6.172@3948.9,1150.5 4034.5,1150.5 4035,1150 4140,1150 v1(4210,1080) ; R18.2@4338.5,865 v1@4338.5,903.5
  Power w10: v1(3315,1990) 3320,1990 3337.5,1972.5 3371.29,1972.5 3373.79,1970 3477.22,1970 3510,1937.22 3510,1616.21 3870,1256.21 3870,1158.79 3878.79,1150 v1(3890,1150)
  Bottom Layer w10: v1(2870,2095) 2975,2200 v1(3235,2200) ; v1(4210,1080) 4340,950 v1(4340,905)
XA14: R18.3 U6.173 | length 510.4
  Top Layer w10: U6.173@3948.9,1130.8 4093.09,1130.8 4155,1068.89 v1(4155,1065) ; R18.3@4307.01,865 v1@4307.01,937.99
  Bottom Layer w10: v1(4155,1065) 4280,940 v1(4305,940)
XA15: R18.4 U6.174 | length 453.9
  Top Layer w10: U6.174@3948.9,1111.1 4073.9,1111.1 v1(4090,1095) ; R18.4@4275.51,865 v1@4275.51,904.49
  Bottom Layer w10: v1(4090,1095) 4090,1090 v1(4275,905)
XCLKIN: R15.2 U6.105 | length 234.7
  Top Layer w10: U6.105@4578.3,1991.1 4578.3,2058.3 4616.5,2096.5 R15.2@4616.5,2210
XD0: U6.136 U12.51 U14.7 | length 2038.3
  Top Layer w10: U12.51@3190.28,1333.78 3443.78,1333.78 v1(3752.5,1642.5) 3840,1730 3840,1782.14 3917.06,1859.2 U6.136@3948.9,1859.2 ; v1@3696.73,2466.73 U14.7@3696.73,2523.5
  Bottom Layer w10: v1(3695,2465) 3692.5,2462.5 3692.5,2418.61 3705,2406.11 3705,2393.79 3905,2193.79 3905,1798.89 3752.5,1646.39 v1(3752.5,1642.5)
XD1: U6.135 U12.52 U14.8 | length 1954.9
  Top Layer w10: U12.52@3190.28,1353.46 3413.46,1353.46 v1(3742.5,1682.5) 3810,1750 3810,1773.36 3915.54,1878.9 U6.135@3948.9,1878.9 ; v1@3665.24,2400 U14.8@3665.24,2523.5
  Bottom Layer w10: v1(3660,2400) 3660,2335 3850,2145 3850,1787.57 v1@3743.71,1681.29
XD2: U6.134 U12.53 U14.9 | length 1973
  Top Layer w10: U12.53@3190.28,1373.15 3388.15,1373.15 v1(3697.5,1682.5) 3913.5,1898.5 U6.134@3948.9,1898.5 ; v1@3633.74,2430 U14.9@3633.74,2523.5
  Bottom Layer w10: v1(3630,2430) 3630,2330 3835,2125 3835,1793.79 3766.21,1725 3745,1725 v1@3700,1680
XD3: U6.133 U12.54 U14.10 | length 1946.2
  Top Layer w10: U12.54@3190.28,1392.83 3357.83,1392.83 v1(3692.5,1727.5) 3772.53,1807.53 3798.6,1807.53 3909.27,1918.2 U6.133@3948.9,1918.2 ; v1@3602.24,2472.24 U14.10@3602.24,2523.5
  Bottom Layer w10: v1(3600,2470) 3600,2335 3820,2115 3820,1800 3767.5,1747.5 3712.5,1747.5 v1(3692.5,1727.5)
XD4: U6.132 U12.55 U14.13 | length 2128
  Top Layer w10: U12.55@3190.28,1412.52 3322.52,1412.52 v1(3643.18,1733.18) 3659.29,1733.18 3681.11,1755 3693.64,1755 3761.17,1822.53 3792.38,1822.53 3960.95,1991.1 U6.132@4046.8,1991.1 ; v1(3507.76,2470) U14.13@3507.76,2523.5 ; 3665,1738.79 3665,1738.89
  Bottom Layer w10: v1(3507.76,2470) 3507.76,2387.24 3805,2090 3805,1815 3765,1775 3677.5,1775 3643.18,1740.68 v1(3643.18,1733.18)
XD5: U6.131 U12.56 U14.14 | length 2117.5
  Top Layer w10: U12.56@3190.28,1432.2 3287.2,1432.2 v1(3662.5,1807.5) 3724.93,1807.5 3754.96,1837.53 3786.17,1837.53 3988.64,2040 4050,2040 4066.5,2023.5 U6.131@4066.5,1991.1 ; v1@3476.26,2451.26 U14.14@3476.26,2523.5
  Bottom Layer w10: v1(3475,2445) 3475,2385 3790,2070 3790,1835 3765.78,1810.78 v1@3662.5,1810.78
XD6: U6.130 U12.57 U14.15 | length 2154.3
  Top Layer w10: U12.57@3190.28,1451.89 3265.57,1451.89 3648.68,1835 3731.21,1835 3748.74,1852.53 3779.96,1852.53 3982.43,2055 4065,2055 4086.1,2033.9 U6.130@4086.1,1991.1 ; v1@3444.76,2435 U14.15@3444.76,2523.5
  Bottom Layer w10: v1(3440,2420) 3440,2385 3775,2050 3775,1870 3740,1835 3645,1835 v1(3620,1810)
XD7: U6.129 U12.58 U14.16 | length 2069.4
  Top Layer w10: U12.58@3190.28,1471.57 3251.57,1471.57 3592.5,1812.5 3592.5,1821.39 3608.61,1837.5 3629.97,1837.5 v1@3662.47,1870 ; v1@3413.27,2395 3412.5,2395.77 3412.5,2522.74 U14.16@3413.27,2523.5 ; v1(3660,1867.53) 3773.74,1867.53 3976.21,2070 4075,2070 4105.8,2039.2 U6.129@4105.8,1991.1
  Bottom Layer w10: v1(3410,2390) 3410,2385 3575,2220 3575,2175 3757.5,1992.5 3757.5,1957.5 v1@3665,1865
XD8: U6.128 U12.61 U14.29 | length 2662.9
  Top Layer w10: v1(3155,1925) 3165,1925 3195,1955 3365,1955 3414.27,2004.27 U14.29@3414.27,2076.5 ; U12.61@3190.28,1530.63 3140.48,1530.63 3126.39,1516.54 3103.61,1516.54 3089.52,1530.63 3064.17,1530.63 3064.17,1390.83 3155,1300 3516.11,1300 3796.11,1580 v1(3805,1580) ; v1(4090,1840) 4080,1840 4045,1875 4045,1910 4075.2,1940.2 4115.2,1940.2 4125.5,1950.5 U6.128@4125.5,1991.1
  Bottom Layer w10: v1(3075,1530) 3017.5,1587.5 3017.5,1822.5 3120,1925 v1(3155,1925) ; v1(3805,1580) 3830,1580 3902.5,1652.5 3911.39,1652.5 3927.5,1668.61 3927.5,1677.5 v1(4090,1840)
XD9: U6.127 U12.62 U14.30 | length 2473
  Top Layer w10: v1(3100,1475) 3100,1380 3165,1315 3485,1315 v1(3820,1635) v1@3815,1645 ; v1@3104.68,1550.32 U12.62@3190.28,1550.32 ; v1(3177.22,1890) 3180,1890 3230,1940 3371.21,1940 3445.76,2014.55 U14.30@3445.76,2076.5 ; v1(4075,1890) 4095,1895 4145.2,1945.2 U6.127@4145.2,1991.1
  Bottom Layer w10: v1(3100,1475) 3115,1490 v1(3115,1544.04) 3100.96,1544.04 3032.5,1612.5 3032.5,1742.5 3177.22,1887.22 v1(3177.22,1890) ; v1(3820,1635) 3872.5,1687.5 3872.5,1691.39 3888.61,1707.5 3892.5,1707.5 v1(4075,1890)
XD10: U6.124 U12.64 U14.31 | length 2415.2
  Top Layer w10: v1(3060,1670) 3060,1636.11 3113.61,1582.5 3136.39,1582.5 3141.39,1587.5 3304.52,1587.5 v1@3312.85,1579.17 ; v1@3240,1910 3255,1925 3377.43,1925 3477.26,2024.83 U14.31@3477.26,2076.5 ; v1(4160,1655) 4160,1805 4179.3,1824.3 4179.3,1929.3 4204.3,1954.3 U6.124@4204.3,1991.1
  Bottom Layer w10: v1(3060,1670) 3060,1635 3065,1630 3065,1753.79 3171.21,1860 3188.79,1860 3197.5,1868.71 3197.5,1871.39 3207.5,1881.39 3207.5,1882.5 3230,1905 v1(3240,1905) ; v1(3305,1585) 3395,1585 3540,1440 3920,1440 4135,1655 v1(4160,1655)
XD11: U6.123 U12.66 U14.32 | length 2179.4
  Top Layer w10: v1(3130,1750) 3130,1650 3150.94,1629.06 U12.66@3190.28,1629.06 3260.94,1629.06 v1(3275,1615) ; v1(3225,1860) 3233.89,1860 3283.89,1910 3395,1910 3508.76,2023.76 U14.32@3508.76,2076.5 ; v1(4190,1725) 4190,1813.79 4194.3,1818.09 4194.3,1824.3 4198.9,1828.9 4198.9,1920 4225,1946.1 4225,1990 U6.123@4223.9,1991.1
  Bottom Layer w10: v1@3127.5,1752.5 3225,1850 v1(3225,1860) ; v1(3275,1615) 3470,1615 3627.5,1457.5 3907.5,1457.5 v1@4182.5,1732.5
XD12: U6.122 U12.67 U14.35 | length 2018.1
  Top Layer w10: U12.67@3190.28,1648.74 v1(3303.74,1648.74) 3603.24,1948.24 3603.24,1997.87 3597.5,2003.61 3597.5,2070.75 U14.35@3603.24,2076.5 ; v1@4218.6,1751.4 4218.6,1903.6 4243.6,1928.6 U6.122@4243.6,1991.1
  Bottom Layer w10: v1(3303.74,1648.74) 3576.26,1648.74 3740,1485 3905,1485 4180,1760 v1(4220,1760)
XD13: U6.119 U12.68 U14.36 | length 1986.3
  Top Layer w10: U12.68@3190.28,1668.43 3268.43,1668.43 v1(3390,1790) 3393.89,1790 v1(3558.89,1955) ; U14.36@3634.74,2076.5 3634.74,2020.26 v1@3635,2020 ; v1(4265,1795) 4272.5,1802.5 4272.5,1841.39 4290,1858.89 4290,1940 4302.7,1952.7 U6.119@4302.7,1991.1
  Bottom Layer w10: v1(3390,1790) 3465,1790 3755,1500 3895,1500 4190,1795 v1(4265,1795) ; v1(3558.89,1955) 3558.89,1948.33 3565.56,1955 3580,1955 3630,2005 3625,2010 v1(3625,2015)
XD14: U6.116 U12.69 U14.37 | length 2020.7
  Top Layer w10: U12.69@3190.28,1688.11 3248.11,1688.11 v1(3465,1905) ; v1(3665,2020) U14.37@3665,2057.73 ; v1(4300,1830) 4305,1835 4305,1870 4347.5,1912.5 4347.5,1921.39 4360,1933.89 4360,1989.4 U6.116@4361.7,1991.1
  Bottom Layer w10: v1(3395,1830) 3395,1840 3410,1825 3488.79,1825 3798.79,1515 3886.21,1515 4201.21,1830 v1@4295,1830 ; v1(3465,1905) 3561.82,1905 3667.5,2010.68 3665,2013.18 v1(3665,2020)
XD15: U6.115 U12.70 U14.38 | length 1964.4
  Top Layer w10: U12.70@3190.28,1707.8 3222.8,1707.8 v1(3387.45,1872.45) ; v1(3690,1985) 3695,1990 U14.38@3695,2045.46 ; v1(4375,1910) 4375,1935 4381.4,1941.4 U6.115@4381.4,1991.1
  Bottom Layer w10: v1(3387.45,1872.45) 3462.55,1872.45 ; v1@3676.39,1982.5 3676.39,1971.39 3577.45,1872.45 3462.55,1872.45 ; v1(4375,1910) 4355,1910 4310,1865 4215,1865 3880,1530 3805,1530 3462.55,1872.45
XREADY: U6.142
XRWN: U6.148
XZCS0N: U6.145
XZCS6N: U6.141
pads on no net: "CPLD JTAG.6" "CPLD JTAG.7" "CPLD JTAG.8" P2.4 U2_A1.8 U2_A2.8 U2_A3.8 U2_A4.8 U6.1 U6.2 U6.68 U6.81 U6.82 U6.102 U6.138 U6.175 U6.176 U7.1 U8.2 U12.35 U12.36 U12.73 U12.74 U12.75 U13.4 U14.28

## Polygon pours and split planes (outlines as drawn)
4.2V_A4 on Power "4.2V_A4" (solid, remove dead copper, pour order 36): 157.09,1145.1 2090,1145.1 2090,685.1 157.09,685.1 157.09,1145.1
4.2V_A3 on Power "4.2V_A3" (solid, remove dead copper, pour order 31): 155,1640.21 2090,1640.21 2090,1160.21 155,1160.21 155,1640.21
4.2V_A1 on Power "4.2V_A1" (solid, remove dead copper, pour order 23): 150,2640.21 2090,2640.21 2090,2160.21 155,2160.21 155,2635.21 150,2640.21
4.2V_A2 on Power "4.2V_A2" (solid, remove dead copper, pour order 27): 155,2140.21 2090,2140.21 2090,1660.21 155,1660.21 155,2140.21
no net on Power "1.4V" (solid, remove dead copper, pour order 30): 4020,2000 4025,2005 4820,2005 4820,1205 4020,1205 4020,2005
3.3VD on Power "3.3VD" (solid, remove dead copper, pour order 34): 2105,2905 5575,2905 5575,405 2100,405 2100,2900 2105,2905
DGND on Ground "DGND" (solid, remove dead copper, pour order 43): 2170,2915 5585,2915 5585,394.95 2170,394.95
AGND4 on Ground "AGND4" (solid, remove dead copper, pour order 38): 155,1142.86 2090,1142.86 2090,677.86 155,677.86 155,1142.86
AGND3 on Ground "AGND3" (solid, remove dead copper, pour order 33): 155,1640.21 2090,1640.21 2090,1160.21 155,1160.21 155,1640.21
AGND1 on Ground "AGND1" (solid, remove dead copper, pour order 26): 155,2640.21 2090,2640.21 2090,2160.21 155,2160.21 155,2640.21
AGND2 on Ground "AGND2" (solid, remove dead copper, pour order 29): 155,2140.21 2090,2140.21 2090,1660.21 155,1660.21 155,2140.21
1.8VD on Top Layer "1.8VD" (solid, remove dead copper, pour order 47): 3995,1970 4940,1970 4940,1025 4945,1020 4940,1025 3995,1025 3995,1970
AGND2 on Top Layer "AGND2" (solid, remove dead copper, pour order 45): 145,2140 2090,2140 2090,1655.73 2085.73,1660 145,1660 145,2140
AGND1 on Top Layer "AGND1" (solid, remove dead copper, pour order 25): 145,2640 2090,2640 2090,2155.73 145.73,2155.73 145,2155 145,2640
AGND4 on Top Layer "AGND4" (solid, remove dead copper, pour order 42): 155,1145.21 2090,1145.21 2090,680.21 160,680.21 155,675.21 155,1145.21
AGND3 on Top Layer "AGND3" (solid, remove dead copper, pour order 39): 155,1640.21 2090,1640.21 2090,1155.21 2085,1160.21 155,1160.21 155,1640.21
DGND on Top Layer "DGND" (solid, remove dead copper, pour order 49): 2100,2910 2105,2915 5575,2915 5575,404.95 5585,394.95 5584.95,395 2095,395 2095,2900 2100,2905
DGND on Bottom Layer "DGND" (solid, remove dead copper, pour order 28): 2105,2905 5575,2905 5575,405 2105,405 2105,2905
AGND4 on Bottom Layer "AGND4" (solid, remove dead copper, pour order 41): 2095,1145.21 2090,1140.21 155,1140.21 155,675.21 2095,675.21 2095,1140.21
AGND3 on Bottom Layer "AGND3" (solid, remove dead copper, pour order 40): 155,1640.21 2090,1640.21 2090,1160.21 2085,1165.21 155,1165.21 155,1640.21
AGND2 on Bottom Layer "AGND2" (solid, remove dead copper, pour order 37): 155,2140.21 2090,2140.21 2090,1665.21 2095,1660.21 2090,1665.21 155,1665.21 155,2140.21
AGND1 on Bottom Layer "AGND1" (solid, remove dead copper, pour order 32): 155,2640.21 2090,2640.21 2090,2165.21 2095,2160.21 2090,2155.21 155,2155.21
1.8VD on Bottom Layer "1.8VDb" (solid, remove dead copper, pour order 24): 4945,1020 3995,1020 3995,1970 4028.2,1947.38 4035.81,1955 4945,1970

## Keep-outs
Keep-Out Layer:
  lines w10: 75,640.05 75,2670 1925,2670 1925,2915 5585,2915 5585,1094.95 5585,395 ; 80,640.05 1925,640.05 1925,394.95 5585,394.95

## Silkscreen, mask and mechanical layers (free items; w line width, h text height)
Top Overlay:
  lines w9.84: 150,660.21 150,696.21 ; 150,1104.21 150,1150.21 150,1195.21 ; 150,1604.21 150,1650.21 150,1695.21 ; 150,2104.21 150,2150.21 150,2195.21 ; 150,2604.21 150,2650.21 ; 740,805.21 837.5,805.21 892.5,805.21 910,805.21 910,955.21 740,955.21 740,805.21 ; 740,1320.21 837.5,1320.21 892.5,1320.21 910,1320.21 910,1470.21 740,1470.21 740,1320.21 ; 740,1820.21 740,1970.21 910,1970.21 910,1820.21 892.5,1820.21 837.5,1820.21 740,1820.21 ; 745,2315.21 842.5,2315.21 897.5,2315.21 910,2315.21 910,2465.21 745,2465.21 745,2315.21
  lines w10: 150,660.21 2095,660.21 2095,1150.21 ; 150,1150.21 2095,1150.21 ; 150,1650.21 2095,1650.21 ; 150,2150.21 2095,2150.21 ; 150,2650.21 2095,2650.21 2095,2150.21 ; 2095,1150.21 2095,1650.21 ; 2095,1650.21 2095,2150.21
  text "RG_A3" at 3020,2870 h60
  text "RG_A4" at 3230,2870 h60
  text "RG_A1" at 2625,2865 h60
  text "RG_A2" at 2815,2865 h60
  text "INSTR AMP" at 1205,2456.14 h60
  text "A1" at 775,2350.21 h80
  text "INSTR AMP" at 1205,1970.21 h60
  text "FB1" at 2170,1935 h60
  text "A2" at 760,1855.21 h80
  text "INSTR AMP" at 1205,1460.21 h60
  text "FB1" at 2155,1460 h60
  text "A3" at 760,1355.21 h80
  text "INSTR AMP" at 1202.25,954.06 h60
  text "A4" at 760,840.21 h80
  text "Reset" at 3535,750 h60
Bottom Overlay:
  lines w10: 150,1150.21 2095,1150.21 ; 150,1650.21 2095,1650.21 ; 150,2150.21 2095,2150.21 ; 150,675.21 2095,675.21 2095,2650.21 150,2650.21 150,675.21
  text "Sr.Design Fall 2015" at 3785,2320 h60
  text "Jacob Easterling" at 3790,2210 h60
  text "Garrett Smith" at 3785,2115 h60
  text "Passive Sonar Rev. 1" at 3785,2040 h60